# Altium PCB GameBoard_V1I1.PcbDoc (part 13 of 22)
Units mil, origin at the board's own origin, x right, y up, seen from the top; angles counter-clockwise.
Board outline 7165.35 x 2814.96 mil, 12 copper layers (L1, L2, L3, L4, L5 (PWR), L6 (PWR), L7 (PWR), L8 (PWR), L9, L10, L11, L12), stack 61.575 mil thick; 1551 components, 1072 nets, 5467 pads, 3785 vias.
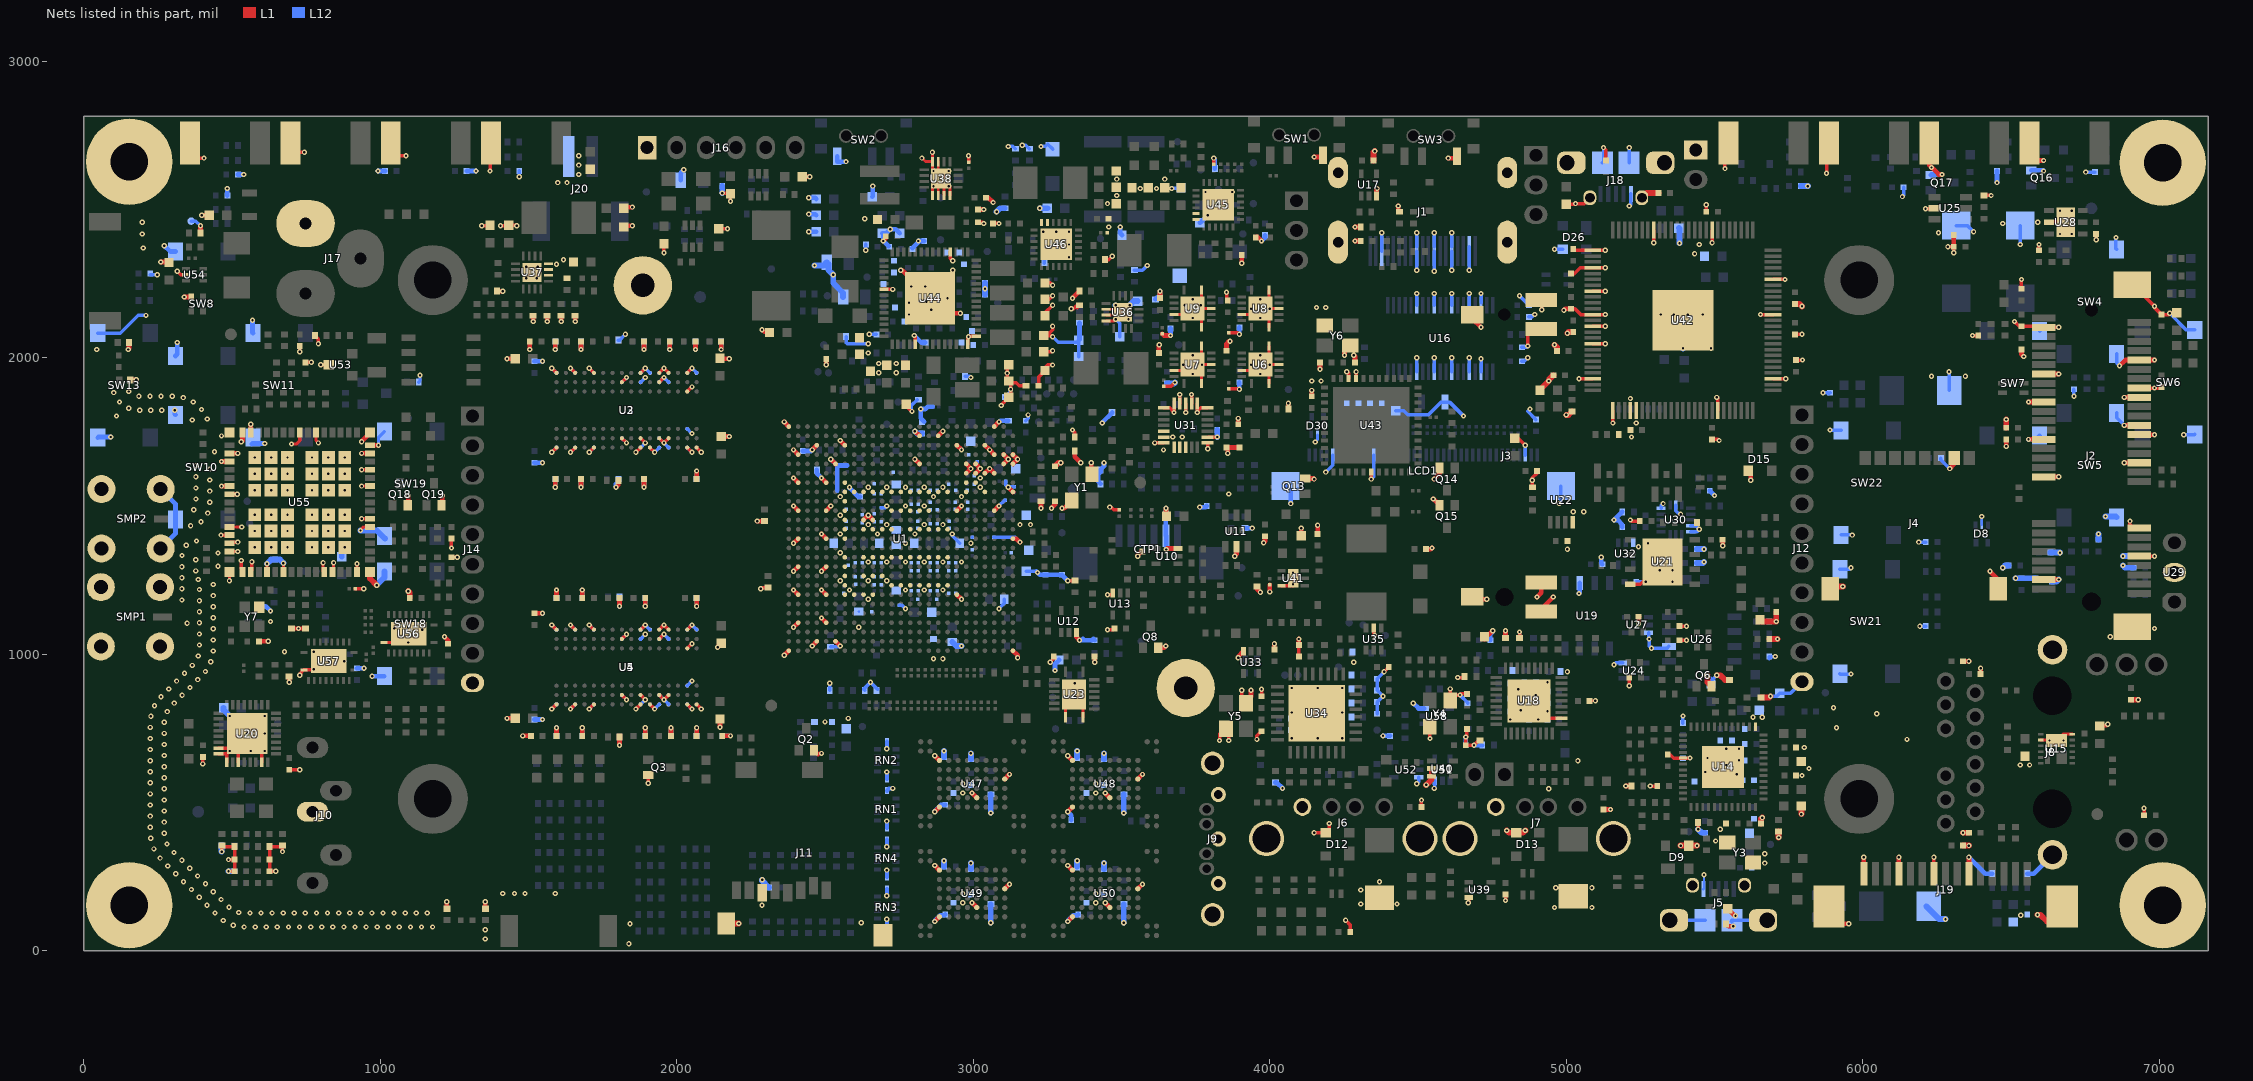
[diagram p23: the nets of this part, all layers, seen from the top]

## Via types
v1: diameter 17.72, hole 7.87, L1 to L12, 1935 vias
v2: diameter 17.72, hole 7.87, L1 to L12, tented both sides, 995 vias
v3: diameter 10.63, hole 3.94, L1 to L2, 334 vias
v4: diameter 11.81, hole 3.94, L2 to L3, 334 vias
v5: diameter 10.63, hole 3.94, L11 to L12, 94 vias
v6: diameter 11.81, hole 3.94, L10 to L11, 93 vias

## Nets (pads, with @x,y where several pads share a name; then routed paths per layer and width w, separated by ;. In a path a pad name is that pad's centre, name@x,y a point inside that pad or via, vN(x,y) a via of type N, cw(c..) or ccw(c..) an arc to the next point about the centre after c; other vN are vias at no path point) (continued)
GND: C1.2 C2.2 C3.2 C4.2 C5.2 C6.2 C7.2 C8.2 C9.2 C11.2 C12.2 C13.2 C14.2 C15.2 C16.2 C17.2 C18.2 C19.2 C20.2 C21.2 C22.2 C23.2 C24.2 C25.2 C26.2 C27.2 C28.2 C29.2 C30.2 C31.2 C32.2 C33.2 C34.2 C35.2 C36.2 C37.2 C38.2 C39.2 C40.2 C41.2 C42.2 C43.2 C44.2 C45.2 C46.2 C47.2 C48.2 C49.2 C50.2 C51.2 C52.2 C53.2 C54.2 C55.2 C56.2 C57.2 C58.2 C59.2 C60.2 C61.2 C63.2 C64.2 C68.2 C69.2 C70.2 C71.2 C72.2 C73.2 C74.2 C75.2 C76.2 C77.2 C78.2 C79.2 C80.2 C81.2 C82.2 C83.2 C84.2 C85.2 C86.2 C87.2 C92.2 C93.2 C94.2 C95.2 C96.2 C97.2 C98.2 C99.2 C100.2 C101.2 C102.2 C103.2 C104.2 C105.2 C106.2 C107.2 C108.2 C109.2 C110.2 C111.2 C112.2 C113.2 C114.2 C115.2 C116.2 C117.2 C118.2 C119.2 C120.2 C121.2 C122.2 C123.2 C124.2 C125.2 C126.2 C127.2 C128.2 C129.2 C130.2 C131.2 C132.2 C133.2 C134.2 C135.2 C136.2 C137.2 C138.2 C139.2 C140.2 C141.2 C142.2 C143.2 C144.2 C145.2 C146.2 C147.2 C148.2 C149.2 C150.2 C151.2 C152.2 C153.2 C154.2 C155.2 C156.2 C157.2 C158.2 C159.2 C160.2 C161.2 C162.2 C163.2 C164.2 C165.2 C166.2 C167.2 C168.2 C169.2 C170.2 C171.2 C172.2 C173.2 C174.2 C175.2 C176.2 C177.2 C178.2 C179.2 C180.2 C181.2 C182.2 C183.2 C184.2 C185.2 C186.2 C187.2 C188.2 C189.2 C190.2 C191.2 C193.2 C194.2 C195.2 C196.2 C197.2 C198.2 C199.2 C200.2 C201.2 C202.2 C203.2 C204.2 C205.2 C206.2 C207.2 C208.2 C209.2 C210.2 C211.2 C212.2 C213.2 C214.2 C215.2 C216.2 C217.2 C218.2 C219.2 C220.2 C221.2 C222.2 C223.2 C224.2 C225.2 C226.2 C227.2 C228.2 C229.2 C230.2 C231.2 C232.2 C233.2 C234.2 C235.2 C236.2 C237.2 C238.2 C239.2 C240.2 C241.2 C242.2 C243.2 C244.2 C245.2 C246.2 C247.2 C248.2 C249.2 C250.2 C251.1 C252.2 C253.1 C254.2 C255.2 C256.2 C257.2 C258.2 C259.2 C260.1 C261.2 C262.1 C263.1 C264.1 C265.1 C266.2 C267.2 C268.2 C269.2 C270.2 C271.2 C274.2 C277.2 C278.2 C279.2 C280.2 C281.2 C283.2 C284.2 C285.2 C286.2 C287.1 C288.2 C289.2 C290.1 C297.2 C298.2 C299.2 C300.2 C301.2 C302.2 C303.1 C304.2 C305.1 C306.2 C307.2 C308.2 C309.2 C310.2 C311.2 C312.2 C313.2 C314.2 C315.2 C316.2 C317.2 C318.2 C319.2 C320.2 C321.2 C323.2 C324.2 C325.2 C326.2 C327.2 C328.2 C329.2 C330.1 C331.2 C332.1 C333.2 C334.2 C335.2 C336.2 C337.2 C338.2 C339.2 C340.2 C343.2 C344.2 C345.2 C346.2 C347.2 C350.2 C351.2 C352.2 C353.2 C354.2 C355.2 C356.1 C357.2 C358.1 C359.2 C360.2 C361.2 C362.2 C363.2 C364.2 C365.2 C366.2 C367.2 C368.2 C369.2 C370.2 C371.2 C372.2 C373.2 C374.2 C375.2 C376.2 C377.2 C378.2 C379.2 C380.2 C381.2 C382.2 C383.2 C384.2 C385.2 C386.2 C387.2 C388.2 C389.2 C390.2 C391.2 C392.2 C393.1 C394.1 C395.2 C396.2 C397.2 C398.2 C399.2 C400.2 C401.2 C402.2 C403.2 C404.2 C405.2 C406.2 C407.2 C408.2 C409.2 C410.2 C411.2 C412.2 C413.2 C414.2 C415.2 C416.2 C417.2 C418.2 C419.2 C420.2 C421.2 C422.2 C423.2 C424.2 C425.2 C427.2 C428.2 C429.2 C430.2 C431.2 C432.2 C433.2 C434.2 C435.2 C436.2 C437.2 C438.2 C439.2 C440.2 C441.2 C442.2 C443.2 C444.2 C445.2 C446.2 C447.2 C448.2 C449.2 C450.2 C451.2 C452.2 C453.2 C454.2 C455.2 C456.2 C457.2 C458.2 C459.2 C460.2 C461.2 C462.2 C463.2 C464.2 C465.2 C466.2 C467.2 C468.2 C469.2 C470.2 C471.2 C472.2 C473.2 C474.2 C475.2 C476.2 C477.2 C478.2 C479.2 C481.2 C482.2 C483.2 C484.2 C485.2 C486.2 C487.2 C488.2 C489.2 C490.2 C491.2 C493.2 C494.2 C495.2 C496.2 C497.2 C498.2 C499.2 C500.2 C501.2 C502.2 C503.2 C504.2 C505.2 C506.2 C507.2 C508.2 C509.2 C510.2 C511.2 C512.2 C513.2 C514.2 C515.2 C516.2 C517.2 C518.2 C519.1 C520.1 C521.1 C522.1 C523.2 C524.2 C525.1 C527.1 C528.1 C529.1 C530.2 C531.1 C532.2 CTP1.2 D8.2 D9.3 D10.2 D11.1 D12.3 D13.3 D15.3 D16.2 D17.2 D20.2 D21.2 D26.3 D30.2 D48.2 D52.2 J1.2 J1.5 J1.8 J1.11 J1.17 J1.MTG1 J1.MTG2 J1.MTG3 J1.MTG4 J2.4 J2.9 J2.15 J2.18 J2.21 J2.26 J2.27 J2.29 J2.34 J2.35 J2.37 J2.40 J2.43 J2.50 J2.53 J2.54 J3.1 J3.2 J3.3 J3.4 J3.5 J3.6 J4.C5 J4.G1 J4.G2 J5.5 J5.6 J5.7 J5.8 J5.9 J5.10 J5.11 J6.4 J6.5 J6.6 J7.4 J7.5 J7.6 J8.18 J8.19 J9.1 J9.4 J9.7 J9.8 J9.9 J10.5 J11.6 J11.11 J11.12 J12.10 J14.10 J16.1 J17.2 J18.5 J18.6 J18.7 J18.8 J18.9 J18.10 J18.11 J19.1 J19.4 J19.7 J19.10 J19.16 J19.17 J20.2 JP3.1 L20.2 L21.2 L22.2 L23.2 LCD1.3 LCD1.29 LCD1.36 LCD1.41 LCD1.42 MH1.1 MH2.1 MH3.1 MH4.1 MH5.1 MH6.1 Q2.2 Q3.2 Q6.2 Q8.2 Q13.2 Q14.2 Q15.2 Q16.2 Q17.2 Q18.2 Q19.2 R1.1 R2.1 R3.1 R4.1 R5.2 R6.1 R7.1 R11.1 R15.1 R16.1 R17.1 R19.1 R26.1 R28.1 R29.1 R30.1 R31.1 R33.1 R35.1 R36.1 R41.1 R73.1 R74.1 R75.1 R76.1 R79.2 R84.1 R85.1 R86.1 R95.1 R101.1 R103.1 R125.2 R138.1 R139.1 R140.1 R142.2 R145.1 R176.1 R185.2 R191.1 R192.1 R193.2 R194.1 R195.1 R201.2 R202.1 R203.1 R204.1 R205.1 R208.1 R215.2 R228.1 R245.1 R253.1 R262.2 R265.1 R267.2 R283.1 R290.1 R291.1 R292.1 R293.1 R297.1 R298.1 R300.1 R302.1 R303.1 R304.1 R308.1 R309.1 R311.1 R314.1 R315.1 R316.1 R324.1 R326.1 R328.1 R345.1 R351.1 R373.1 R438.1 R440.1 R458.1 R459.1 R470.1 R479.1 R483.1 R484.1 R485.1 R492.1 R496.1 R498.1 R499.1 R501.1 R503.1 R505.1 R506.1 R510.1 R511.1 R549.1 R550.1 R552.1 R575.1 R676.1 RN1.1 RN1.6 RN2.1 RN2.6 RN3.1 RN3.6 RN4.1 RN4.6 SMP1.2 SMP1.3 SMP1.4 SMP1.5 SMP2.2 SMP2.3 SMP2.4 SMP2.5 SW1.1 SW2.1 SW3.1 SW4.1 SW4.2 SW5.1 SW5.2 SW6.1 SW6.2 SW7.1 SW7.2 SW8.1 SW8.2 SW9.1 SW10.1 SW10.2 SW11.1 SW11.2 SW12.1 SW13.1 SW13.2 SW14.1 SW15.1 SW16.1 SW17.1 SW18.1 SW18.2 SW19.1 SW19.2 SW20.1 SW21.1 SW21.2 SW22.1 SW22.2 SW23.1 TP26.1 U1.A4 U1.A5 U1.A8 U1.A13 U1.A25 U1.AA7 U1.AA10 U1.AA13 U1.AA16 U1.AA19 U1.AA22 U1.AB3 U1.AB24 U1.AD4 U1.AD7 U1.AD10 U1.AD13 U1.AD16 U1.AD19 U1.AD22 U1.AE1 U1.AE25 U1.B4 U1.B5 U1.C1 U1.C4 U1.C6 U1.C10 U1.D3 U1.D6 U1.D8 U1.E5 U1.E6 U1.E7 U1.F5 U1.F6 U1.F7 U1.F8 U1.G3 U1.G10 U1.G19 U1.H8 U1.H12 U1.H15 U1.H18 U1.J2 U1.J8 U1.J12 U1.J15 U1.J18 U1.K8 U1.K10 U1.K12 U1.K15 U1.K18 U1.L2 U1.L5 U1.L8 U1.L10 U1.L12 U1.L15 U1.L18 U1.M8 U1.M10 U1.M12 U1.M15 U1.M18 U1.N8 U1.N10 U1.N15 U1.N18 U1.P8 U1.P10 U1.P12 U1.P15 U1.P18 U1.R8 U1.R12 U1.R15 U1.R17 U1.T8 U1.T11 U1.T12 U1.T15 U1.T17 U1.T19 U1.U8 U1.U11 U1.U12 U1.U15 U1.U17 U1.U19 U1.V8 U1.V19 U1.W3 U1.W7 U1.W8 U1.W9 U1.W10 U1.W11 U1.W12 U1.W13 U1.W15 U1.W16 U1.W17 U1.W18 U1.W19 U1.Y5 U1.Y24 U2.A9 U2.B1 U2.B3 U2.B9 U2.D1 U2.D8 U2.E1 U2.E2 U2.E8 U2.F9 U2.G1 U2.G8 U2.G9 U2.J2 U2.J8 U2.M1 U2.M9 U2.P1 U2.P9 U2.T1 U2.T9 U3.A9 U3.B1 U3.B3 U3.B9 U3.D1 U3.D8 U3.E1 U3.E2 U3.E8 U3.F9 U3.G1 U3.G8 U3.G9 U3.J2 U3.J8 U3.M1 U3.M9 U3.P1 U3.P9 U3.T1 U3.T9 U4.A9 U4.B1 U4.B3 U4.B9 U4.D1 U4.D8 U4.E1 U4.E2 U4.E8 U4.F9 U4.G1 U4.G8 U4.G9 U4.J2 U4.J8 U4.M1 U4.M9 U4.P1 U4.P9 U4.T1 U4.T9 U5.A9 U5.B1 U5.B3 U5.B9 U5.D1 U5.D8 U5.E1 U5.E2 U5.E8 U5.F9 U5.G1 U5.G8 U5.G9 U5.J2 U5.J8 U5.M1 U5.M9 U5.P1 U5.P9 U5.T1 U5.T9 U6.5 U6.8 U6.11 U6.14 U6.15 U7.5 U7.8 U7.11 U7.14 U7.15 U8.5 U8.8 U8.11 U8.14 U8.15 U9.5 U9.8 U9.11 U9.14 U9.15 U10.3 U11.2 U12.3 U13.3 U14.13 U14.29 U14.49 U15.2 U15.12 U15.13 U16.3 U16.5 U16.8 U16.11 U16.14 U16.25 U16.28 U16.31 U16.34 U16.36 U17.3 U18.11 U18.37 U19.6 U20.1 U20.3 U20.7 U20.31 U20.32 U20.33 U21.4 U21.9 U22.4 U23.8 U23.9 U23.17 U24.3 U25.2 U26.2 U27.3 U28.2 U28.7 U29.2 U30.5 U30.7 U30.12 U30.13 U31.1 U31.5 U31.6 U31.7 U31.8 U31.9 U31.10 U31.13 U31.14 U31.19 U31.20 U31.21 U31.22 U31.23 U31.24 U32.3 U33.3 U34.33 U35.2 U36.10 U36.11 U36.12 U36.17 U37.10 U37.11 U37.12 U37.17 U38.5 U38.6 U38.7 U38.8 U38.15 U38.16 U38.17 U39.3 U40.2 U40.3 U41.3 U41.7 U42.1 U42.4 U42.5 U42.19 U42.28 U42.39 U42.45 U42.58 U42.68 U42.76 U42.79 U42.83 U42.87 U42.89 U42.92 U42.98 U42.101 U43.6 U43.30 U43.31 U44.5 U44.14 U44.15 U44.32 U44.48 U44.57 U45.17 U45.18 U45.25 U46.17 U46.18 U46.25 U47.C5 U47.F7 U47.K3 U47.K8 U48.C5 U48.F7 U48.K3 U48.K8 U49.C5 U49.F7 U49.K3 U49.K8 U50.C5 U50.F7 U50.K3 U50.K8 U51.3 U52.3 U53.3 U54.2 U55.1 U55.7 U55.9 U55.15 U55.16 U55.17 U55.19 U55.20 U55.23 U55.24 U55.28 U55.29 U55.30 U55.31 U55.33 U55.34 U55.35 U55.37 U55.39 U55.44 U55.45 U55.48 U55.49 U55.54 U55.55 U55.59 U55.61 U55.63 U55.64 U55.G1 U55.G2 U55.G3 U55.G4 U55.G5 U55.G6 U55.G7 U55.G8 U55.G9 U55.G10 U55.G11 U55.G12 U55.G13 U55.G14 U55.G15 U55.G16 U55.G17 U55.G18 U55.G19 U55.G20 U55.G21 U55.G22 U55.G23 U55.G24 U55.G25 U55.G26 U55.G27 U55.G28 U55.G29 U55.G30 U55.G31 U55.G32 U55.G33 U55.G34 U55.G35 U55.G36 U56.11 U56.21 U57.11 U57.21 U58.3 Y1.2 Y1.4 Y3.2 Y3.4 Y4.2 Y4.4 Y5.2 Y5.4 Y6.2 Y6.4 Y7.2 | length 30893.6
  L1 w7.87: C255.2@5078.74,842.52 v1(5098.43,842.52)
  L1 w8.66: U15.13@6651.52,710.63 U15.13@6653.54,708.6 U15.13@6669.35,724.41
  L1 w9.06: U36.12@3448.43,2124.02 3474.41,2124.02 v1(3480.31,2129.92) ; U36.11@3448.43,2143.7 U36.17@3494.09,2143.7 ; U36.10@3448.43,2163.39 U36.17@3494.09,2163.39
  L1 w9.45: U15.2@6600,710.63 U15.13@6651.52,710.63 ; U15.13@6669.35,724.41 6675.26,730.31 U15.12@6707.09,730.31
  L1 w9.84: U56.11@1011.81,1039.37 U56.21@1066.93,1039.37 ; v1(2826.77,2673.23) 2838.58,2661.42 U38.16@2862.2,2661.42 ; U38.5@2862.2,2547.24 U38.17@2862.2,2574.8 ; v1(2862.2,2692.91) U38.16@2862.2,2661.42 ; U38.6@2881.89,2547.24 2881.89,2594.49 U38.17@2891.73,2604.33 U38.17@2881.89,2614.17 ; U38.15@2881.89,2661.42 U38.17@2881.89,2614.17 ; U38.7@2901.57,2547.24 2901.57,2594.49 v1(2917.32,2578.74) ; U38.8@2921.26,2547.24 U38.17@2921.26,2574.8 ; U7.5@3677.17,1956.69 3720.47,1956.69 U7.15@3740.16,1976.38 ; U9.5@3677.17,2145.67 3720.47,2145.67 U9.15@3740.16,2165.35 ; U7.8@3769.69,1913.39 3769.69,1946.85 U7.15@3740.16,1976.38 ; U7.14@3769.69,2039.37 3769.69,2005.91 U7.15@3740.16,1976.38 ; U9.8@3769.69,2102.36 3769.69,2135.83 U9.15@3740.16,2165.35 ; U9.14@3769.69,2228.35 3769.69,2194.88 U9.15@3751.97,2177.17 ; U7.11@3803.15,1976.38 v2(3771.65,1976.38) U7.15@3740.16,1976.38 ; U9.11@3803.15,2165.35 3767.72,2165.35 v2(3767.72,2177.17) U9.15@3751.97,2177.17 ; U6.5@3905.51,1956.69 3948.82,1956.69 U6.15@3968.5,1976.38 ; U8.5@3905.51,2145.67 3948.82,2145.67 U8.15@3968.5,2165.35 ; U6.8@3998.03,1913.39 3998.03,1946.85 U6.15@3968.5,1976.38 ; U6.14@3998.03,2039.37 3998.03,2005.91 U6.15@3968.5,1976.38 ; U8.8@3998.03,2102.36 3998.03,2135.83 U8.15@3968.5,2165.35 ; U8.14@3998.03,2228.35 3998.03,2194.88 U8.15@3968.5,2165.35 ; U6.11@4031.5,1976.38 v2(4000,1976.38) U6.15@3968.5,1976.38 ; U8.11@4031.5,2165.35 v2(4000,2165.35) U8.15@3968.5,2165.35 ; U38.16@2862.2,2661.42 2862.2,2633.86 U38.17@2881.89,2614.17 ; U9.15@3740.16,2165.35 U9.15@3751.97,2177.17
  L1 w11.02: v1(462.6,1401.57) U55.29@491.14,1401.57 ; v1(491.14,1248.03) U55.33@491.14,1276.57 ; U55.31@491.14,1346.46 v1(519.69,1346.46) ; U55.30@491.14,1374.02 495.08,1377.95 v1(519.68,1377.95) ; U55.28@503.94,1429.13 v1(532.48,1429.13) ; U55.34@531.5,1287.4 v1(531.5,1315.94) ; U55.35@566.93,1283.46 v1(566.93,1312.01) ; U55.37@618.11,1276.57 v1(618.11,1305.12) ; U55.39@673.23,1276.57 v1(673.23,1307.09) ; v1(700.79,1708.66) 716.54,1708.66 728.35,1720.47 U55.9@728.35,1747.05 ; U55.7@783.46,1747.05 783.46,1720.47 v1(791.34,1712.6) ; U55.44@807.09,1279.53 v1(807.09,1308.07) ; U55.45@842.52,1279.53 v1(842.52,1308.07) ; C522.1@915.94,1220.47 v1(944.49,1220.47) ; U55.48@921.26,1276.57 v1(921.26,1305.12) ; v1(933.07,1417.32) 944.88,1429.13 U55.54@965.55,1429.13 ; v1(937.01,1456.69) U55.55@965.55,1456.69 ; v1(937.01,1566.93) U55.59@965.55,1566.93 ; v1(937.01,1622.05) U55.61@965.55,1622.05 ; v1(1342.52,2444.88) 1368.11,2444.88 C344.2@1370.08,2446.85 ; v1(1405.51,2444.88) 1431.1,2444.88 C343.2@1433.07,2446.85 1458.66,2446.85 v1(1460.63,2444.88) ; U23.8@3311.02,787.4 U23.17@3311.02,818.9 ; U23.9@3370.08,787.4 U23.17@3370.08,826.77
  L1 w11.81: v1(314.96,2291.34) 326.77,2279.53 U54.2@344.88,2279.53 ; SW15.1@358.27,2681.1 366.14,2673.23 v1(405.51,2673.23) ; v1(401.57,629.92) C270.2@401.57,653.54 ; U20.32@454.33,663.39 U20.33@482.28,663.39 ; U20.31@454.33,683.07 U20.33@501.97,683.07 ; v2(465.47,334.06) R204.1@465.47,354.49 469.41,350.55 R202.1@508.78,350.55 C277.2@508.78,267.87 508.62,267.72 v2(488.19,267.72) ; U20.1@482.28,635.43 U20.33@482.28,663.39 ; v2(488.19,307.09) C279.2@508.62,307.09 ; U20.3@521.65,635.43 U20.33@521.65,702.76 ; U20.7@600.39,635.43 600.39,683.07 v1(551.18,732.28) U20.33@521.65,702.76 ; v2(647.32,267.87) C278.2@626.89,267.87 R203.1@626.89,350.55 666.26,350.55 R205.1@670.2,354.49 v2(670.2,334.06) ; C274.2@692.91,610.24 v1(728.35,610.24) ; SW17.1@696.85,2681.1 708.66,2692.91 v1(744.09,2692.91) ; R549.1@700.79,1086.61 v1(724.41,1086.61) R550.1@748.03,1086.61 ; v1(728.35,929.13) 728.35,933.07 U57.11@742.13,946.85 797.24,946.85 v1(826.77,976.38) ; v1(728.35,2019.69) C404.2@728.35,2039.37 ; C403.2@748.03,1984.25 v1(767.72,1984.25) ; R324.1@779.53,2074.8 791.34,2062.99 v1(791.34,2047.24) ; v1(799.21,1976.38) U53.3@826.77,1976.38 ; SW12.1@1035.43,2681.1 v1(1086.61,2681.1) ; C412.2@1240.16,1326.77 v1(1259.84,1326.77) ; v1(1240.16,1358.27) C411.2@1240.16,1389.76 ; v1(1370.08,2629.92) 1370.08,2677.17 SW9.1@1374.02,2681.1 ; v2(1578.74,814.96) U4.T9@1594.49,830.71 ; v2(1578.74,1098.43) U4.T1@1594.49,1082.68 ; v2(1578.74,1681.1) U2.T9@1594.49,1696.85 ; v2(1578.74,1964.57) U2.T1@1594.49,1948.82 ; v2(1641.73,814.96) U4.P9@1657.48,830.71 ; v2(1641.73,1098.43) U4.P1@1657.48,1082.68 ; v2(1641.73,1681.1) U2.P9@1657.48,1696.85 ; v2(1641.73,1964.57) U2.P1@1657.48,1948.82 ; v2(1704.72,814.96) U4.M9@1720.47,830.71 ; v2(1704.72,1098.43) U4.M1@1720.47,1082.68 ; v2(1704.72,1681.1) U2.M9@1720.47,1696.85 ; v2(1704.72,1964.57) U2.M1@1720.47,1948.82 ; U4.J8@1814.96,862.2 v2(1830.71,846.46) ; U4.J2@1814.96,1051.18 v2(1830.71,1066.93) ; U2.J8@1814.96,1728.35 v2(1830.71,1712.6) ; U2.J2@1814.96,1917.32 v2(1830.71,1933.07) ; v2(1862.2,814.96) U4.G9@1877.95,830.71 ; v2(1862.2,1681.1) U2.G9@1877.95,1696.85 ; U4.G8@1877.95,862.2 v2(1893.7,846.46) ; U4.G1@1877.95,1082.68 v2(1893.7,1098.43) ; U2.G8@1877.95,1728.35 v2@1893.7,1712.6 ; U2.G1@1877.95,1948.82 v2(1893.7,1964.57) ; v1(1903.54,564.96) Q3.2@1903.54,592.52 ; U4.F9@1909.45,830.71 v2(1925.2,814.96) ; U2.F9@1909.45,1696.85 v2(1925.2,1681.1) ; U4.E8@1940.94,862.2 v2(1956.69,846.46) U4.D8@1972.44,862.2 ; U4.E2@1940.94,1051.18 v2(1956.69,1066.93) ; U4.E1@1940.94,1082.68 v2(1956.69,1098.43) U4.D1@1972.44,1082.68 ; U2.E8@1940.94,1728.35 v2(1956.69,1712.6) U2.D8@1972.44,1728.35 ; U2.E2@1940.94,1917.32 v2(1956.69,1933.07) ; U2.E1@1940.94,1948.82 v2(1956.69,1964.57) U2.D1@1972.44,1948.82 ; v1(1956.69,2354.33) D21.2@1956.69,2383.86 ; U4.B9@2035.43,830.71 v2(2051.18,814.96) ; U4.B3@2035.43,1019.68 v2(2051.18,1035.43) ; U4.B1@2035.43,1082.68 v2(2051.18,1098.43) ; U2.B9@2035.43,1696.85 v2(2051.18,1681.1) ; U2.B3@2035.43,1885.83 v2(2051.18,1901.58) ; U2.B1@2035.43,1948.82 v2(2051.18,1964.57) ; U4.A9@2066.93,830.71 v2(2082.68,814.96) ; U2.A9@2066.93,1696.85 v2(2082.68,1681.1) ; D20.2@2141.73,2435.04 v1(2171.26,2435.04) ; v1(2153.54,2555.12) 2179.13,2555.12 D16.2@2181.1,2553.15 v1(2181.1,2527.56) ; v1(2283.46,1220.47) 2287.4,1224.41 R5.2@2307.09,1224.41 ; v1(2287.4,2094.49) 2296.81,2085.08 C355.2@2312.99,2085.08 ; Q2.2@2462.6,675.2 2476.38,661.42 2480.32,665.35 v1(2488.19,665.35) ; U44.48@2698.82,2230.31 v2(2728.35,2230.31) ; C442.2@2773.62,1842.52 2773.62,1836.61 v1@2791.34,1818.9 ; v2(2801.18,2074.8) 2805.12,2070.87 U44.5@2805.12,2045.28 ; U44.32@2923.23,2356.3 2923.23,2334.65 v2(2931.1,2326.77) ; U44.14@2982.28,2045.28 2982.28,2068.9 2986.22,2072.84 U44.15@3009.84,2072.84 ; C351.2@2984.25,2660.04 v1(2984.25,2681.1) ; C425.2@3015.75,2456.69 3031.5,2456.69 v1(3035.43,2452.76) ; C429.2@3066.93,2452.76 v1(3086.61,2452.76) ; v1(3094.49,1838.58) 3094.49,1840.55 C447.2@3120.08,1866.14 3125.98,1872.05 v1(3125.98,1893.7) C448.2@3125.98,1915.35 ; C449.2@3120.08,1976.38 3115,1971.3 v1(3115,1948) 3115,1926.34 C448.2@3120.08,1921.26 C448.2@3125.98,1915.35 ; R26.1@3177.17,1905.51 3155.51,1905.51 3145.67,1915.35 C448.2@3125.98,1915.35 ; C74.2@3220.47,1905.51 3220.47,1935.04 C452.2@3242.13,1956.69 3242.13,1966.54 3250.98,1975.39 v2(3267.72,1975.39) ; C451.2@3238.19,2019.68 3263.78,2019.68 v2(3267.72,2023.62) ; C450.2@3238.19,2074.8 C450.2@3248.03,2074.8 ; C454.2@3242.13,2141.73 3242.13,2151.57 v2(3267.72,2177.17) ; C453.2@3242.13,2196.85 3255.91,2196.85 v2(3267.72,2208.66) ; C455.2@3242.13,2251.97 3259.84,2251.97 v2(3267.72,2244.09) ; v1(3259.84,972.44) 3271.65,984.25 C285.2@3271.65,992.13 ; v2(3267.72,2070.87) 3263.78,2074.8 C450.2@3248.03,2074.8 ; v1(3267.72,2106.3) 3267.72,2094.49 C450.2@3248.03,2074.8 ; v1(3318.9,1248.03) R101.1@3342.52,1248.03 ; v1(3330.71,2165.35) 3338.58,2165.35 3346.46,2173.23 3350.39,2169.29 R304.1@3358.27,2177.17 ; v1(3334.65,1755.91) 3342.52,1748.03 R16.1@3342.52,1732.28 ; R496.1@3444.88,2330.71 3456.69,2330.71 v1(3468.5,2342.52) ; v1(3452.76,1082.68) 3472.44,1082.68 C102.2@3476.38,1086.61 ; v1(3452.76,1200.79) 3468.5,1200.79 U13.3@3470.47,1202.76 ; v1(3460.63,1496.06) 3464.57,1496.06 3473.82,1486.81 R373.1@3492.13,1486.81 ; v1(3480.31,2129.92) 3494.09,2143.7 U36.17@3503.94,2153.54 U36.17@3494.09,2163.39 ; v1(3612.21,1712.6) U31.7@3642.72,1712.6 ; R31.1@3641.73,1902.95 3666.73,1902.95 v2(3680.12,1916.34) ; U31.1@3642.72,1830.71 3662.54,1830.71 v1@3677.17,1816.08 ; v1(3677.17,1814.96) v1@3677.17,1816.08 ; U31.24@3677.17,1845.47 v1@3677.17,1816.08 ; U31.23@3696.85,1845.47 v1(3696.85,1875.98) ; v1(3716.54,1814.96) U31.22@3716.54,1845.47 ; U31.21@3736.22,1845.47 v1(3736.22,1875.98) ; v1(3755.91,1814.96) v1@3755.91,1818.87 ; U31.20@3755.91,1845.47 v1@3755.91,1818.87 ; U31.13@3790.35,1712.6 3791.34,1711.61 v1(3791.34,1692.91) ; U31.19@3790.35,1830.71 3767.75,1830.71 v1@3755.91,1818.87 ; U31.14@3792.32,1732.28 v1(3822.83,1732.28) ; R470.1@3811.02,2652.17 v1(3811.02,2673.23) ; v1(3830.71,708.66) Y5.2@3830.71,732.28 ; v1(3854.33,2220.47) 3854.33,2196.85 C82.2@3858.27,2192.91 ; v1(3862.2,708.66) Y5.2@3862.2,732.28 ; R30.1@3862.2,1895.08 3896.26,1895.08 v2(3897.64,1893.7) ; R33.1@3862.2,2084.06 3892.32,2084.06 v2(3897.64,2078.74) ; Y5.4@3905.51,854.33 v1(3905.51,877.95) ; v1(3956.69,712.6) 3956.69,724.41 C332.1@3972.44,740.16 ; C330.1@3972.44,858.27 v1(3972.44,881.89) ; U41.3@4039.57,1230.31 4070.09,1230.31 U41.7@4078.74,1238.96 ; C328.2@4098.43,992.13 C329.2@4098.43,1031.5 ; v1(4149.61,397.64) 4185.04,397.64 4200.79,413.39 v1(4200.79,429.13) ; v1(4255.91,102.36) 4271.65,86.61 C395.2@4271.65,62.99 ; v2(4259.84,1952.76) 4265.75,1946.85 U43.31@4265.75,1929.13 ; U43.30@4291.34,1929.13 v2(4291.34,1952.76) ; v1(4342.52,1590.55) U43.6@4342.52,1614.17 ; U35.2@4350.39,1088.58 4350.39,1066.93 v1(4354.33,1062.99) ; v1(4385.83,940.94) C331.2@4401.57,956.69 ; C245.2@4511.81,484.25 v1(4511.81,507.87) ; v1(4540.35,715.55) Y4.2@4540.35,754.92 ; v1(4609.25,882.87) Y4.4@4609.25,843.5 4627.95,862.2 v1(4641.73,862.2) 4645.67,866.14 C249.2@4665.35,866.14 ; v1(4633.86,921.26) R194.1@4657.48,921.26 ; C247.2@4665.35,748.03 4665.35,724.41 v1(4661.42,720.47) C519.1@4661.42,692.91 v1(4688.98,692.91) 4704.72,708.66 R193.2@4708.66,708.66 ; v1(4669.29,161.42) 4671.26,163.39 U39.3@4671.26,179.13 ; v1(4795.28,169.29) C358.1@4795.28,188.98 ; C367.2@4826.77,1728.35 4838.58,1728.35 v1(4862.2,1704.72) ; R192.1@4842.52,1055.12 v1(4842.52,1074.8) ; v1(4870.08,2039.37) 4870.08,2082.68 4883.86,2096.46 J3.4@4915.35,2096.46 ; U18.37@4874.02,842.52 4933.07,783.46 U18.11@4984.25,783.46 ; R215.2@4885.83,1562.99 v1(4885.83,1586.61) 4885.83,1594.49 4901.57,1610.24 C366.2@4901.57,1618.11 ; J3.5@4915.35,2194.88 4917.32,2192.91 v1(4917.32,2161.42) ; C359.2@5000,2517.72 5029.53,2517.72 v1(5031.5,2519.68) 5060.04,2519.68 J18.6@5079.72,2539.37 ; C378.2@5015.75,2165.35 5029.53,2165.35 5049.21,2145.67 U42.87@5089.57,2145.67 v2(5131.89,2145.67) ; C379.2@5023.62,2283.46 5027.56,2283.46 5047.24,2303.15 U42.79@5089.57,2303.15 v2(5131.89,2303.15) ; C376.2@5023.62,2366.14 5027.56,2362.2 U42.76@5089.57,2362.2 v2(5131.89,2362.2) ; v2(5043.31,1929.13) U42.98@5089.57,1929.13 ; U42.92@5089.57,2047.24 v2(5131.89,2047.24) ; U42.89@5089.57,2106.3 v2(5131.89,2106.3) ; U42.83@5089.57,2224.41 v2(5131.89,2224.41) ; v1(5125.98,2708.66) 5133.86,2700.79 C360.2@5133.86,2665.35 ; v2(5157.48,1779.53) U42.1@5157.48,1821.85 ; v1(5212.6,893.7) C301.2@5212.6,921.26 ; U21.4@5216.54,1236.22 5249.8,1236.22 U21.9@5324.8,1311.22 ; v1(5216.54,1452.76) 5220.47,1448.82 C318.2@5248.03,1448.82 ; v1(5244.09,1102.36) 5244.09,1122.05 C308.2@5248.03,1125.98 ; v1(5283.46,555.12) C209.2@5307.09,555.12 ; v2(5295.28,2387.8) U42.68@5295.28,2430.12 ; C200.2@5350.39,661.42 5362.6,649.21 U14.29@5394.09,649.21 ; C305.1@5381.89,1047.24 v1(5405.51,1047.24) ; C304.2@5381.89,1094.49 v1(5405.51,1094.49) ; U14.29@5397.64,649.61 v1(5417.32,649.61) ; v1(5444.88,409.45) R138.1@5444.88,433.07 ; C373.2@5472.44,2492.13 v1(5472.44,2515.75) ; C375.2@5492.13,1724.41 5511.81,1724.41 v1(5515.75,1720.47) ; v2(5492.13,2387.8) U42.58@5492.13,2430.12 ; v1(5507.87,1866.14) 5511.81,1862.2 U42.19@5511.81,1821.85 ; v1(5535.43,2637.8) SW23.1@5535.43,2685.04 ; v2(5655.51,2145.67) U42.39@5697.83,2145.67 ; U42.28@5697.83,1929.13 v2(5740.16,1929.13) ; U42.45@5697.83,2263.78 v2(5738.19,2263.78) ; C369.2@5771.65,2078.74 v2(5795.28,2078.74) ; C374.2@5773.62,1992.13 C374.2@5775.59,1992.13 v2(5797.24,1992.13) ; v1(5877.95,2622.05) SW20.1@5877.95,2681.1 ; v2(6211.61,2501.97) 6240.16,2501.97 U25.2@6242.13,2503.94 ; J19.7@6240.16,259.84 v1(6240.16,314.96) ; v2(6287.4,2374.02) C303.1@6307.09,2374.02 v2(6307.09,2354.33) ; v2(6370.08,2074.8) C396.2@6389.76,2074.8 ; R245.1@6409.45,2547.24 6411.42,2549.21 6413.39,2547.24 v2(6433.07,2547.24) ; v1(6511.81,2122.05) 6527.56,2106.3 C233.2@6535.43,2106.3 6606.3,2106.3 J2.50@6610.24,2102.36 v1(6661.42,2102.36) ; C230.2@6535.43,2232.28 v1(6535.43,2263.78) ; C399.2@6594.49,2361.22 v2(6594.49,2381.89) ; v2(6787.4,2397.64) C312.2@6787.4,2417.32 ; C191.2@6799.21,757.87 6820.87,757.87 v1(6826.77,763.78) ; v1(6901.57,1448.82) 6901.57,1437.01 6913.39,1425.2 J2.15@6933.07,1425.2 ; J2.54@6909.45,2246.06 6911.42,2246.06 v1(6984.25,2173.23) 6984.25,2169.29 C237.2@7007.87,2145.67 7031.5,2145.67 v1(7035.43,2149.61) 7061.02,2149.61 C236.2@7066.93,2155.51 ; J2.9@6933.07,1330.71 v1(6984.25,1330.71) ; J2.37@6933.07,1897.64 v1(6984.25,1897.64) 7003.94,1897.64 C232.2@7007.87,1901.57 ; C266.2@6948.82,456.69 v1(6948.82,480.32) ; U20.33@482.28,663.39 v1(492.13,673.23) U20.33@501.97,683.07 ; U20.33@501.97,683.07 U20.33@521.65,702.76